# Altium PCB PuttPilot-Node.PcbDoc (part 1 of 2) (continued)
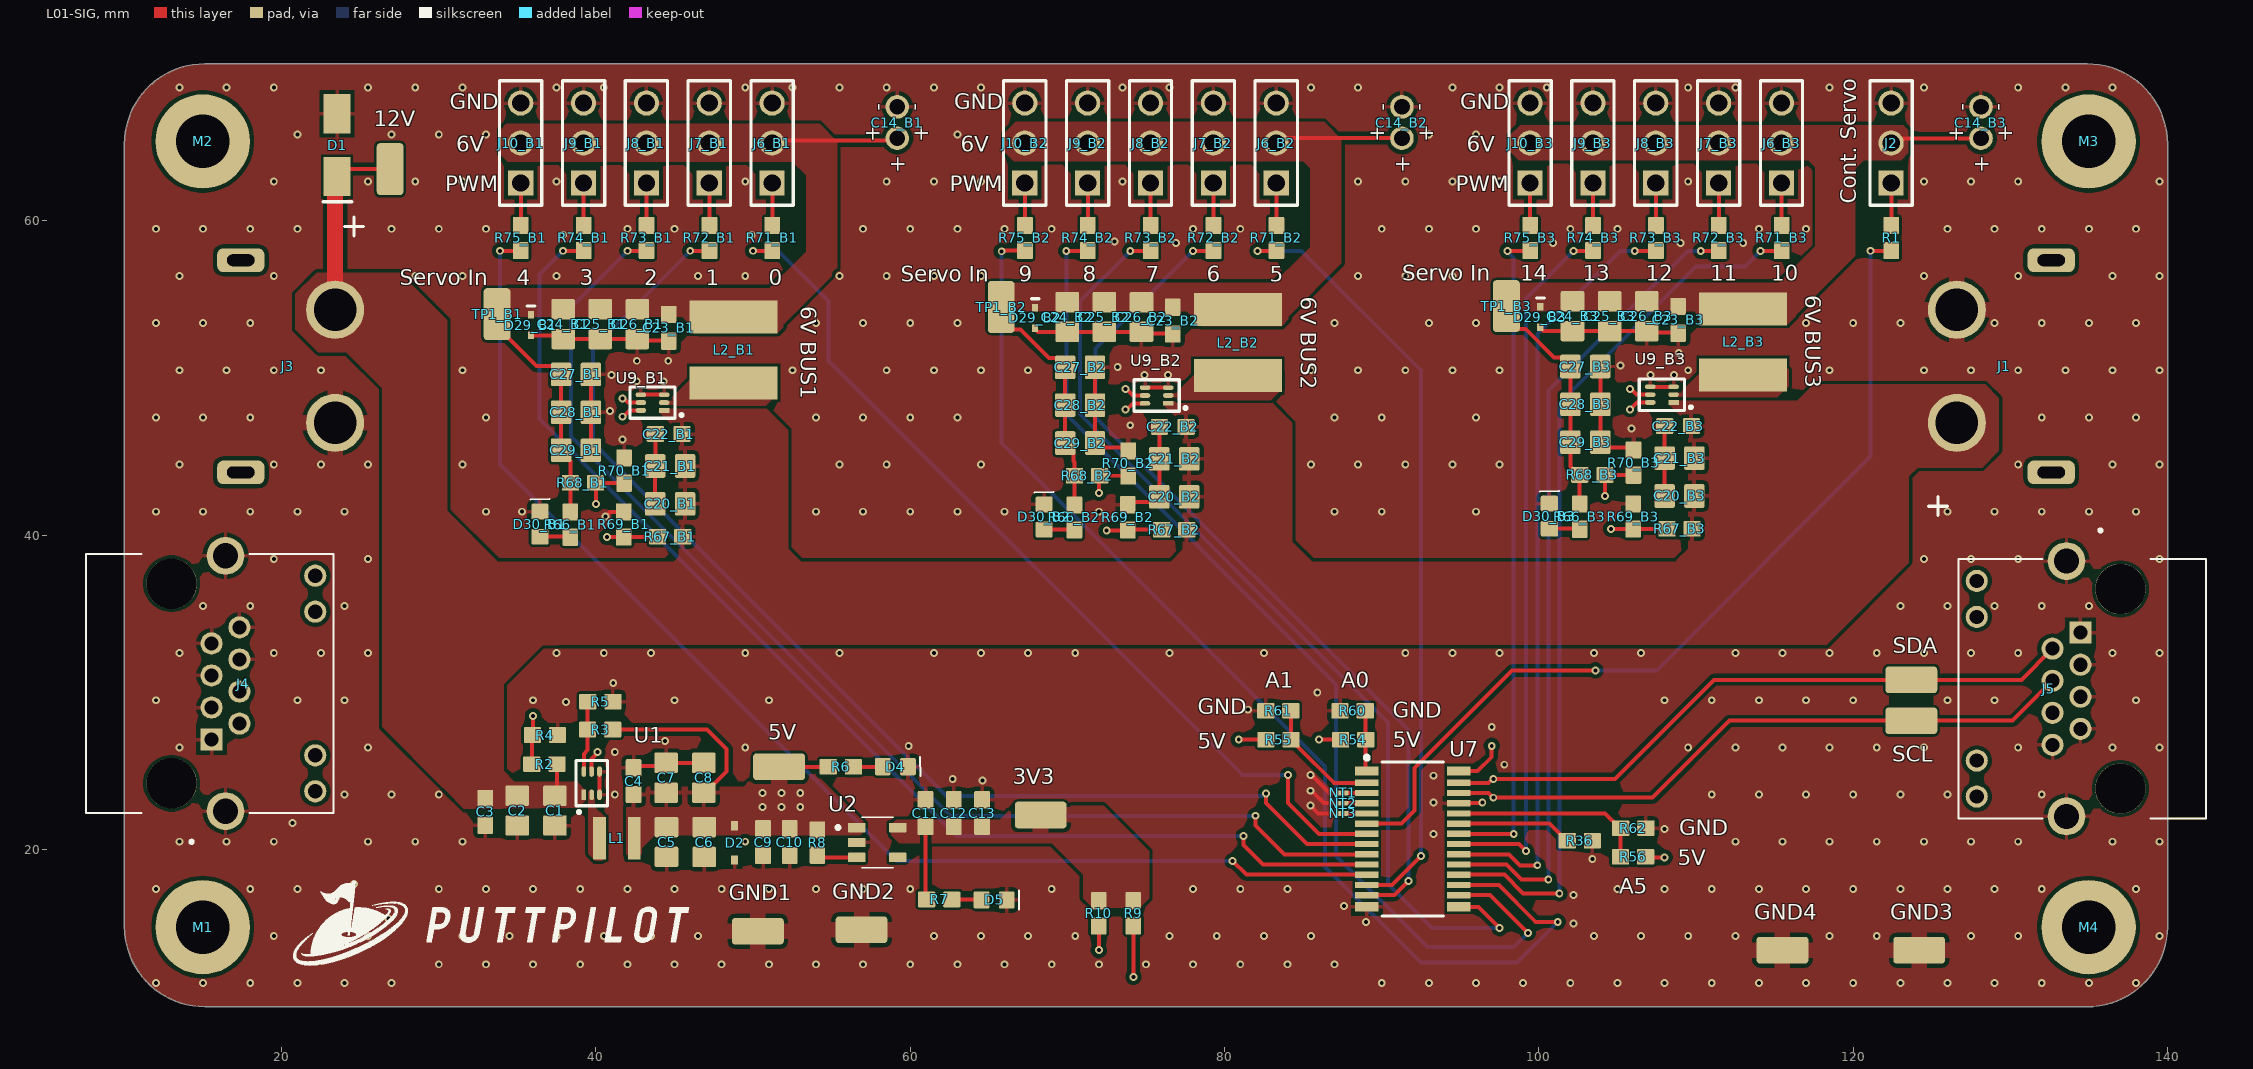
[diagram p0: L01-SIG view]
## Classes and differential pairs
net class SERVO_PWM_5_[1..3]: SERVO_PWM_5_1 SERVO_PWM_5_2 SERVO_PWM_5_3
net class SERVO_PWM_4_[1..3]: SERVO_PWM_4_1 SERVO_PWM_4_2 SERVO_PWM_4_3
net class SERVO_PWM_3_[1..3]: SERVO_PWM_3_1 SERVO_PWM_3_2 SERVO_PWM_3_3
net class SERVO_PWM_2_[1..3]: SERVO_PWM_2_1 SERVO_PWM_2_2 SERVO_PWM_2_3
net class SERVO_PWM_1_[1..3]: SERVO_PWM_1_1 SERVO_PWM_1_2 SERVO_PWM_1_3
net class 6V_BUS[1..3]: 6V_BUS1 6V_BUS2 6V_BUS3
component class U_ESP-Power: 3V3 5V C1 C2 C3 C4 C5 C6 C7 C8 C9 C10 C11 C12 C13 D2 D4 D5 GND1 GND2 GND3 GND4 L1 R2 R3 R4 R5 R6 R7 R8 U1 U2
component class U_ESP8266: 12V D1 J1 J3 J4 J5 R9 R10
component class Hierarchal: J2 M1 M2 M3 M4 R1
channel class Servo-Power: B1 B2 B3
component class U_PWM_CONTROL: NT1 NT2 NT3 R36 R54 R55 R56 R60 R61 R62 SCL SDA U7
component class B3: C14_B3 C20_B3 C21_B3 C22_B3 C23_B3 C24_B3 C25_B3 C26_B3 C27_B3 C28_B3 C29_B3 D29_B3 D30_B3 J6_B3 J7_B3 J8_B3 J9_B3 J10_B3 L2_B3 R66_B3 R67_B3 R68_B3 R69_B3 R70_B3 R71_B3 R72_B3 R73_B3 R74_B3 R75_B3 TP1_B3 U9_B3
component class B2: C14_B2 C20_B2 C21_B2 C22_B2 C23_B2 C24_B2 C25_B2 C26_B2 C27_B2 C28_B2 C29_B2 D29_B2 D30_B2 J6_B2 J7_B2 J8_B2 J9_B2 J10_B2 L2_B2 R66_B2 R67_B2 R68_B2 R69_B2 R70_B2 R71_B2 R72_B2 R73_B2 R74_B2 R75_B2 TP1_B2 U9_B2
component class B1: C14_B1 C20_B1 C21_B1 C22_B1 C23_B1 C24_B1 C25_B1 C26_B1 C27_B1 C28_B1 C29_B1 D29_B1 D30_B1 J6_B1 J7_B1 J8_B1 J9_B1 J10_B1 L2_B1 R66_B1 R67_B1 R68_B1 R69_B1 R70_B1 R71_B1 R72_B1 R73_B1 R74_B1 R75_B1 TP1_B1 U9_B1

## Components (designator, comment, footprint, x,y, rotation, side; value= is the part's Value field where it differs from the comment)
3V3 "RCWCTE" RCWCTE 68.27,22.28 r180 top
5V "RCWCTE" RCWCTE 51.625,25.35 r180 top
12V "RCWCTE" RCWCTE 26.98,63.33 r90 top
C1 "GRM21BR61E226ME44K" .CAP_0805 37.425,22.525 r90 top
C2 "GRM21BR61E226ME44K" .CAP_0805 35.025,22.525 r90 top
C3 "GCJ188R71H104KA12D" .CAP_0603 33.025,22.425 r90 top
C4 "GCJ188R71H104KA12D" .CAP_0603 42.325,24.325 r270 top
C5 "GRM21BR61E226ME44K" .CAP_0805 44.525,20.525 r90 top
C6 "GRM21BR61E226ME44K" .CAP_0805 46.925,20.525 r90 top
C7 "GRM21BR61E226ME44K" .CAP_0805 44.425,24.525 r270 top
C8 "GRM21BR61E226ME44K" .CAP_0805 46.825,24.525 r270 top
C9 "GRT188R71E105KE13D" .CAP_0603 50.7,20.5 r90 top
C10 "GRT188R71E105KE13D" .CAP_0603 52.4,20.5 r90 top
C11 "GCJ188R71H104KA12D" .CAP_0603 60.9,22.3 r270 top
C12 "GRT188R71E105KE13D" .CAP_0603 62.7,22.3 r270 top
C13 "GRT188R71E105KE13D" .CAP_0603 64.5,22.3 r270 top
C14_B1 "ESH107M010AC3AA" ESH107M010AC3AA 59.16,66.28 r90 top (schematic designator C14)
C14_B2 "ESH107M010AC3AA" ESH107M010AC3AA 91.276,66.28 r90 top (schematic designator C14)
C14_B3 "ESH107M010AC3AA" ESH107M010AC3AA 128.121,66.28 r90 top (schematic designator C14)
C20_B1 "GRM21BR61E226ME44K" .CAP_0805 44.765,41.957 r0 top (schematic designator C20)
C20_B2 "GRM21BR61E226ME44K" .CAP_0805 76.843,42.409 r0 top (schematic designator C20)
C20_B3 "GRM21BR61E226ME44K" .CAP_0805 108.993,42.463 r0 top (schematic designator C20)
C21_B1 "GRM21BR61E226ME44K" .CAP_0805 44.765,44.37 r0 top (schematic designator C21)
C21_B2 "GRM21BR61E226ME44K" .CAP_0805 76.843,44.822 r0 top (schematic designator C21)
C21_B3 "GRM21BR61E226ME44K" .CAP_0805 108.993,44.876 r0 top (schematic designator C21)
C22_B1 "GCJ188R71H104KA12D" .CAP_0603 44.651,46.372 r0 top (schematic designator C22)
C22_B2 "GCJ188R71H104KA12D" .CAP_0603 76.729,46.824 r0 top (schematic designator C22)
C22_B3 "GCJ188R71H104KA12D" .CAP_0603 108.879,46.878 r0 top (schematic designator C22)
C23_B1 "GCJ188R71H104KA12D" .CAP_0603 44.703,53.226 r90 top (schematic designator C23)
C23_B2 "GCJ188R71H104KA12D" .CAP_0603 76.781,53.678 r90 top (schematic designator C23)
C23_B3 "GCJ188R71H104KA12D" .CAP_0603 108.931,53.732 r90 top (schematic designator C23)
C24_B1 "GRM21BR61E226ME44K" .CAP_0805 37.947,53.48 r90 top (schematic designator C24)
C24_B2 "GRM21BR61E226ME44K" .CAP_0805 70.025,53.932 r90 top (schematic designator C24)
C24_B3 "GRM21BR61E226ME44K" .CAP_0805 102.175,53.986 r90 top (schematic designator C24)
C25_B1 "GRM21BR61E226ME44K" .CAP_0805 40.309,53.48 r90 top (schematic designator C25)
C25_B2 "GRM21BR61E226ME44K" .CAP_0805 72.387,53.932 r90 top (schematic designator C25)
C25_B3 "GRM21BR61E226ME44K" .CAP_0805 104.537,53.986 r90 top (schematic designator C25)
C26_B1 "GRM21BR61E226ME44K" .CAP_0805 42.671,53.48 r90 top (schematic designator C26)
C26_B2 "GRM21BR61E226ME44K" .CAP_0805 74.749,53.932 r90 top (schematic designator C26)
C26_B3 "GRM21BR61E226ME44K" .CAP_0805 106.899,53.986 r90 top (schematic designator C26)
C27_B1 "GRM21BR61E226ME44K" .CAP_0805 38.684,50.268 r180 top (schematic designator C27)
C27_B2 "GRM21BR61E226ME44K" .CAP_0805 70.762,50.72 r180 top (schematic designator C27)
C27_B3 "GRM21BR61E226ME44K" .CAP_0805 102.912,50.774 r180 top (schematic designator C27)
C28_B1 "GRM21BR61E226ME44K" .CAP_0805 38.684,47.866 r180 top (schematic designator C28)
C28_B2 "GRM21BR61E226ME44K" .CAP_0805 70.762,48.318 r180 top (schematic designator C28)
C28_B3 "GRM21BR61E226ME44K" .CAP_0805 102.912,48.372 r180 top (schematic designator C28)
C29_B1 "GRM21BR61E226ME44K" .CAP_0805 38.684,45.453 r180 top (schematic designator C29)
C29_B2 "GRM21BR61E226ME44K" .CAP_0805 70.762,45.905 r180 top (schematic designator C29)
C29_B3 "GRM21BR61E226ME44K" .CAP_0805 102.912,45.959 r180 top (schematic designator C29)
D1 "SMAJ12A-13-F" SMAJ12A-13-F 23.525,64.825 r270 top
D2 "DESD5V0U1BA-7" DESD5V0U1BA-7 48.825,20.425 r90 top
D4 "LTST-C191KGKT" .LED_0603 59,25.315 r0 top
D5 "LTST-C191KGKT" .LED_0603 65.284,16.835 r0 top
D29_B1 "ESD5Z6.0T1G" ESD5Z6.0T1G 35.864,53.378 r270 top (schematic designator D29)
D29_B2 "ESD5Z6.0T1G" ESD5Z6.0T1G 67.942,53.83 r270 top (schematic designator D29)
D29_B3 "ESD5Z6.0T1G" ESD5Z6.0T1G 100.092,53.884 r270 top (schematic designator D29)
D30_B1 "LTST-C191KGKT" .LED_0603 36.398,40.66 r90 top (schematic designator D30)
D30_B2 "LTST-C191KGKT" .LED_0603 68.476,41.112 r90 top (schematic designator D30)
D30_B3 "LTST-C191KGKT" .LED_0603 100.626,41.166 r90 top (schematic designator D30)
GND1 "RCWCTE" RCWCTE 50.33,14.72 r0 top
GND2 "RCWCTE" RCWCTE 56.93,14.82 r0 top
GND3 "RCWCTE" RCWCTE 124.23,13.52 r0 top
GND4 "RCWCTE" RCWCTE 115.47,13.68 r180 top
J1 "XT60PW-M" XT60PW-M 132.6,50.75 r270 top
J2 "PRPC040SAAN-RC" HEADER_3POS_2.54MM 122.415,64.959 r90 top
J3 "XT60PW-M" XT60PW-M 17.4,50.75 r90 top
J4 "MTJ-88ARX1-FSM-LG" MTJ-88ARX1-FSM-LG 15,30.4 r270 top
J5 "MTJ-88ARX1-FSM-LG" MTJ-88ARX1-FSM-LG 135,30.4 r90 top
J6_B1 "PRPC040SAAN-RC" HEADER_3POS_2.54MM 51.21,64.959 r90 top (schematic designator J6)
J6_B2 "PRPC040SAAN-RC" HEADER_3POS_2.54MM 83.288,64.959 r90 top (schematic designator J6)
J6_B3 "PRPC040SAAN-RC" HEADER_3POS_2.54MM 115.438,64.959 r90 top (schematic designator J6)
J7_B1 "PRPC040SAAN-RC" HEADER_3POS_2.54MM 47.21,64.959 r90 top (schematic designator J7)
J7_B2 "PRPC040SAAN-RC" HEADER_3POS_2.54MM 79.288,64.959 r90 top (schematic designator J7)
J7_B3 "PRPC040SAAN-RC" HEADER_3POS_2.54MM 111.438,64.959 r90 top (schematic designator J7)
J8_B1 "PRPC040SAAN-RC" HEADER_3POS_2.54MM 43.21,64.959 r90 top (schematic designator J8)
J8_B2 "PRPC040SAAN-RC" HEADER_3POS_2.54MM 75.288,64.959 r90 top (schematic designator J8)
J8_B3 "PRPC040SAAN-RC" HEADER_3POS_2.54MM 107.438,64.959 r90 top (schematic designator J8)
J9_B1 "PRPC040SAAN-RC" HEADER_3POS_2.54MM 39.21,64.959 r90 top (schematic designator J9)
J9_B2 "PRPC040SAAN-RC" HEADER_3POS_2.54MM 71.288,64.959 r90 top (schematic designator J9)
J9_B3 "PRPC040SAAN-RC" HEADER_3POS_2.54MM 103.438,64.959 r90 top (schematic designator J9)
J10_B1 "PRPC040SAAN-RC" HEADER_3POS_2.54MM 35.21,64.959 r90 top (schematic designator J10)
J10_B2 "PRPC040SAAN-RC" HEADER_3POS_2.54MM 67.288,64.959 r90 top (schematic designator J10)
J10_B3 "PRPC040SAAN-RC" HEADER_3POS_2.54MM 99.438,64.959 r90 top (schematic designator J10)
L1 "NRH3012T4R7MN" NRH3012T4R7MN 41.325,20.725 r0 top
L2_B1 "SRP6060FA-5R6M" SRP6060FA-5R6M 48.767,51.803 r90 top (schematic designator L2)
L2_B2 "SRP6060FA-5R6M" SRP6060FA-5R6M 80.845,52.255 r90 top (schematic designator L2)
L2_B3 "SRP6060FA-5R6M" SRP6060FA-5R6M 112.995,52.309 r90 top (schematic designator L2)
M1 ".HOLE_M3" .HOLE_M3 15,15 r0 top locked
M2 ".HOLE_M3" .HOLE_M3 15,65 r0 top locked
M3 ".HOLE_M3" .HOLE_M3 135,65 r0 top
M4 ".HOLE_M3" .HOLE_M3 135,15 r0 top
NT1 ".NET_TIE" .NET_TIE 87.36,23.6 r0 top
NT2 ".NET_TIE" .NET_TIE 87.36,22.95 r0 top
NT3 ".NET_TIE" .NET_TIE 87.36,22.3 r0 top
R1 "RC0603FR-07240RL" .RES_0603 122.415,58.959 r270 top
R2 "ERJ-3EKF2002V" .RES_0603 36.675,25.425 r0 top
R3 "RC0603FR-0773K2L" .RES_0603 40.225,27.625 r0 top
R4 "RC0603FR-0710KL" .RES_0603 36.8,27.3 r180 top
R5 "RC0603FR-0710KL" .RES_0603 40.325,29.425 r180 top
R6 "RC0603FR-071KL" .RES_0603 55.625,25.275 r180 top
R7 "RC0603FR-071KL" .RES_0603 61.884,16.835 r180 top
R8 "RC0603FR-071KL" .RES_0603 54.1,20.4 r90 top
R9 "RC0603FR-071KL" .RES_0603 74.2,15.9 r90 top
R10 "RC0603FR-071KL" .RES_0603 72,15.9 r90 top
R36 "RC0603FR-0710KL" .RES_0603 102.65,20.575 r180 top
R54 "RC0603FR-071KL" .RES_0603 88.225,27 r180 top
R55 "RC0603FR-071KL" .RES_0603 83.475,27 r180 top
R56 "RC0603FR-071KL" .RES_0603 105.95,19.525 r0 top
R60 "RC0603FR-071KL" .RES_0603 88.107,28.814 r0 top
R61 "RC0603FR-071KL" .RES_0603 83.375,28.825 r0 top
R62 "RC0603FR-071KL" .RES_0603 106.05,21.375 r180 top
R66_B1 "RC0603FR-071KL" .RES_0603 38.379,40.635 r90 top (schematic designator R66)
R66_B2 "RC0603FR-071KL" .RES_0603 70.457,41.087 r90 top (schematic designator R66)
R66_B3 "RC0603FR-071KL" .RES_0603 102.607,41.141 r90 top (schematic designator R66)
R67_B1 "ERJ-3EKF2002V" .RES_0603 44.678,39.891 r0 top (schematic designator R67)
R67_B2 "ERJ-3EKF2002V" .RES_0603 76.756,40.343 r0 top (schematic designator R67)
R67_B3 "ERJ-3EKF2002V" .RES_0603 108.906,40.397 r0 top (schematic designator R67)
R68_B1 "RC0603FR-0788K7L" .RES_0603 39.217,43.345 r180 top (schematic designator R68)
R68_B2 "RC0603FR-0788K7L" .RES_0603 71.295,43.797 r180 top (schematic designator R68)
R68_B3 "RC0603FR-0788K7L" .RES_0603 103.445,43.851 r180 top (schematic designator R68)
R69_B1 "RC0603FR-0710KL" .RES_0603 41.757,40.729 r270 top (schematic designator R69)
R69_B2 "RC0603FR-0710KL" .RES_0603 73.835,41.181 r270 top (schematic designator R69)
R69_B3 "RC0603FR-0710KL" .RES_0603 105.985,41.235 r270 top (schematic designator R69)
R70_B1 "RC0603FR-0710KL" .RES_0603 41.782,44.158 r270 top (schematic designator R70)
R70_B2 "RC0603FR-0710KL" .RES_0603 73.86,44.61 r270 top (schematic designator R70)
R70_B3 "RC0603FR-0710KL" .RES_0603 106.01,44.664 r270 top (schematic designator R70)
R71_B1 "RC0603FR-07240RL" .RES_0603 51.21,58.959 r270 top (schematic designator R71)
R71_B2 "RC0603FR-07240RL" .RES_0603 83.288,58.959 r270 top (schematic designator R71)
R71_B3 "RC0603FR-07240RL" .RES_0603 115.438,58.959 r270 top (schematic designator R71)
R72_B1 "RC0603FR-07240RL" .RES_0603 47.21,58.959 r270 top (schematic designator R72)
R72_B2 "RC0603FR-07240RL" .RES_0603 79.288,58.959 r270 top (schematic designator R72)
R72_B3 "RC0603FR-07240RL" .RES_0603 111.438,58.959 r270 top (schematic designator R72)
R73_B1 "RC0603FR-07240RL" .RES_0603 43.21,58.959 r270 top (schematic designator R73)
R73_B2 "RC0603FR-07240RL" .RES_0603 75.288,58.959 r270 top (schematic designator R73)
R73_B3 "RC0603FR-07240RL" .RES_0603 107.438,58.959 r270 top (schematic designator R73)
R74_B1 "RC0603FR-07240RL" .RES_0603 39.21,58.959 r270 top (schematic designator R74)
R74_B2 "RC0603FR-07240RL" .RES_0603 71.288,58.959 r270 top (schematic designator R74)
R74_B3 "RC0603FR-07240RL" .RES_0603 103.438,58.959 r270 top (schematic designator R74)
R75_B1 "RC0603FR-07240RL" .RES_0603 35.21,58.959 r270 top (schematic designator R75)
R75_B2 "RC0603FR-07240RL" .RES_0603 67.288,58.959 r270 top (schematic designator R75)
R75_B3 "RC0603FR-07240RL" .RES_0603 99.438,58.959 r270 top (schematic designator R75)
SCL "RCWCTE" RCWCTE 123.67,28.28 r180 top (schematic designator I2)
SDA "RCWCTE" RCWCTE 123.67,30.88 r180 top (schematic designator I1)
TP1_B1 "RCWCTE" RCWCTE 33.625,54.042 r270 top (schematic designator TP1)
TP1_B2 "RCWCTE" RCWCTE 65.703,54.494 r270 top (schematic designator TP1)
TP1_B3 "RCWCTE" RCWCTE 97.853,54.548 r270 top (schematic designator TP1)
U1 "TPS566242DRLR" TPS566242DRLR 39.725,24.225 r90 top
U2 "TLV75533PDBVR" .SOT-23-5 57.9,20.5 r0 top
U7 "PCA9685PW,112" PCA9685PW,112 91.975,20.675 r0 top
U9_B1 "TPS566242DRLR" TPS566242DRLR 43.6,48.442 r180 top (schematic designator U9)
U9_B2 "TPS566242DRLR" TPS566242DRLR 75.678,48.894 r180 top (schematic designator U9)
U9_B3 "TPS566242DRLR" TPS566242DRLR 107.828,48.948 r180 top (schematic designator U9)

## Footprints (in the part's own frame and the unit in brackets; to place one, negate y for a bottom-side part, rotate by r counter-clockwise, add the part's x,y. Pads: shape width x height; smd on the part's side, far side on the other; paste and mask are expansions set on the pad)
.CAP_0603 [mm] "GENERIC 0603 CAPACITOR"
  rrect15% 1.1x1 smd: 1(-0.873,0.07) 2(0.827,0.07)
  body extent -0.9,-0.38 0.85,0.57, height 0.87
.CAP_0805 [mm] "GENERIC 0805 CAPACITOR"
  rrect15% 1.3x1.5 smd: 1(-0.995,0.036) 2(0.905,0.036)
  body extent -1.14,-0.66 1.05,0.79, height 1.39
.HOLE_M3 [mm]
  round 6 hole 3.4: 1(-0.02,0.06)
.LED_0603 [mm] ".GENERIC 0603 LED"
  rrect20% 1x1.1 smd: 1(-0.75,-0.04) 2(0.85,-0.04)
  silkscreen extent 1.62,-0.64 1.64,0.56, body extent -0.76,-0.44 0.86,0.36, height 0.6
.NET_TIE [mm]
  rrect15% 0.4x0.3 smd paste-2539.97 mask+0: 1(-0.025,0) 2(0.34,0)
.RES_0603 [mm] "GENERIC 0603 RESISTOR"
  rrect15% 1.1x1 smd: 1(-0.757,0.011) 2(0.843,0.011)
  body extent -0.76,-0.39 0.84,0.41, height 0.46
.SOT-23-5 [mm] ".GENERIC SOT-23-5"
  rrect10% 1.1x0.6 smd: 1(-1.3,0.9) 2(-1.3,-0.05) 3(-1.3,-1) 4(1.3,-1) 5(1.3,0.9)
  silkscreen extent -2.61,-1.65 1,1.55, body extent -1.4,-1.5 1.4,1.4, height 1.45
DESD5V0U1BA-7 [mm]
  rect 0.59x0.45 smd: 1(-1.09,0) 2(1.09,0)
  body extent -1.35,-0.7 1.35,0.7, height 1.2
ESD5Z6.0T1G [mm]
  rect 0.48x0.4 smd: 1(-0.66,0) 2(0.66,0)
  silkscreen extent -1.22,-0.24 -1.22,0.26, body extent -0.85,-0.44 0.85,0.44, height 0.46
ESH107M010AC3AA [mm]
  round 1.5 hole 1 mask+0.05: 1(-1.022,-0.01)
  round 1.5 hole 1 paste-2539.97 mask+0.05: 2(0.978,-0.01)
  body extent -2.77,-2.76 2.72,2.74, height 12.5
HEADER_3POS_2.54MM [mm]
  rect 1.6x1.6 hole 1.1: 1(-2.54,0)
  round 1.6 hole 1.1: 2(0,0) 3(2.54,0)
  silkscreen extent -3.96,-1.35 3.96,1.35, body extent -3.81,-1.27 3.81,1.27, height 8.57
MTJ-88ARX1-FSM-LG [mm]
  rect 1.408x1.408 / inner round 1.408 / far side rect 1.408x1.408 hole 0.9: 1(3.403,0.537)
  round 1.408 hole 0.9: 2(2.383,2.317) 3(1.363,0.537) 4(0.343,2.317) 5(-0.677,0.537) 6(-1.697,2.317) 7(-2.717,0.537) 8(-3.737,2.317) 9(6.693,7.137) 10(4.403,7.137) 11(-4.737,7.137) 12(-7.027,7.137)
  round 2.4 hole 1.6: SH1(-8.292,1.427) SH2(7.958,1.427)
  round 3.2 hole 3.2 unplated: ""(-6.517,-2.003) ""(6.183,-2.003)
  silkscreen extent -8.42,-7.46 10.01,8.29, body extent -8.57,-7.66 8.24,8.48, height 13.21
NRH3012T4R7MN [mm]
  rect 0.8x2.7 smd: 1(-1.1,0) 2(1.1,0)
  body extent -1.55,-1.55 1.55,1.55, height 1.19
PCA9685PW,112 [mm]
  rect 1.5x0.6 smd: 1(-2.924,4.326) 14(-2.924,-4.324) 15(2.926,-4.324) 28(2.926,4.326)
  rect 1.5x0.4 smd: 2(-2.924,3.576) 3(-2.924,2.926) 4(-2.924,2.276) 5(-2.924,1.626) 6(-2.924,0.976) 7(-2.924,0.326) 8(-2.924,-0.324) 9(-2.924,-0.974) 10(-2.924,-1.624) 11(-2.924,-2.274) 12(-2.924,-2.924) 13(-2.924,-3.574) 16(2.926,-3.574) 17(2.926,-2.924) 18(2.926,-2.274) 19(2.926,-1.624) 20(2.926,-0.974) 21(2.926,-0.324) 22(2.926,0.326) 23(2.926,0.976) 24(2.926,1.626) 25(2.926,2.276) 26(2.926,2.926) 27(2.926,3.576)
  silkscreen extent -3.05,-4.9 1.96,5.3, body extent -3.3,-4.9 3.3,4.9, height 1.09
RCWCTE [mm]
  rrect25% 3.3x1.7 smd: 1(-0.03,0.08)
  body extent -1.63,-0.72 1.57,0.88, height 2.01
SMAJ12A-13-F [mm]
  rect 2.5x1.7 smd: 1(-2,0) 2(2,0)
  silkscreen extent 3.6,-0.9 3.6,0.94, body extent -2.8,-1.46 2.8,1.46, height 2.35
SRP6060FA-5R6M [mm]
  rect 2.1x5.6 smd: 1(-2.1,0) 2(2.1,0)
  body extent -3.2,-3.3 3.2,3.3, height 5.91
TPS566242DRLR [mm]
  rect 0.67x0.3 smd mask+0.075: 1(-0.74,0.5)
  oval 0.67x0.3 smd mask+0.075: 2(-0.74,0) 3(-0.74,-0.5) 4(0.74,-0.5) 5(0.74,0) 6(0.74,0.5)
  silkscreen extent -1.9,-1 1.44,1, body extent -0.8,-0.78 0.8,0.78, height 0.6
XT60PW-M [mm] "XT60 Male"
  round 3.7 hole 2.7: 1(3.6,-6) 2(-3.6,-6)
  rrect50% 1.5x3 hole 0.75 slot 1.75 at 90 deg: MH0(-6.75,0) MH1(6.75,0)
  silkscreen extent 8.3,-7.8 9.5,-6.6, body extent -7.75,-7.85 7.75,10.35, height 8.41

## Part data
3V3 5V 12V GND1 GND2 GND3 GND4 SCL SDA TP1_B1 TP1_B2 TP1_B3: "SMT Test Point", Case Code (Imperial)=1206, Case Code (Metric)=3216, Current Rating=2A, Manufacturer="KOA Speer", Max Operating Temperature=125°C, Min Operating Temperature=-55°C, Resistance=0R, Supplier Part Number 1=2019-RCWCTECT-ND, Case/Package=1206, Category="Chip SMD Resistors", ComponentLink1Description=https://datasheet.ciiva.com/34302/1876186-34302940.pdf?src-supplier=Jameco, ComponentLink1URL=https://datasheet.ciiva.com/34302/1876186-34302940.pdf?src-supplier=Jameco, ComponentLink2Description=https://datasheet.ciiva.com/5556/rc-5556236.pdf?src-supplier=Mouser, ComponentLink2URL=https://datasheet.ciiva.com/5556/rc-5556236.pdf?src-supplier=Mouser, ComponentLink3Description=https://datasheet.ciiva.com/26821/getdatasheetpartid-110197-26821157.pdf?src-supplier=Verical, ComponentLink3URL=https://datasheet.ciiva.com/26821/getdatasheetpartid-110197-26821157.pdf?src-supplier=Verical, Contact Material=Copper,Tin, Depth=1.6mm, Height=2mm, Length=3.2mm, Manufacturer Part Number=RCWCTE, Military Standard=Not, Mount="Surface Mount", Number of Contacts=1, Packaging="Tape and Reel", Pricing 1="1=0.2, 10=0.15, 25=0.1344, 50=0.1238, 100=0.1141, 250=0.10268, 500=0.09488, 1000=0.08781 (USD)", RoHS=Yes, RoHS Compliant=Yes, Series=RC, Stock 1=56953, Supplier 1=Digikey, Termination=SMD/SMT, Width=1.6mm
C1 C2 C5 C6 C7 C8 C20_B1 C20_B2 C20_B3 C21_B1 C21_B2 C21_B3 C24_B1 C24_B2 C24_B3 C25_B1 C25_B2 C25_B3 C26_B1 C26_B2 C26_B3 C27_B1 C27_B2 C27_B3 C28_B1 C28_B2 C28_B3 C29_B1 C29_B2 C29_B3: "CAP CER 22uF 25V X5R 0805", Capacitance=22uF, Capacitor Type=Ceramic, Manufacturer=Murata, Max Operating Temperature=85°C, Min Operating Temperature=-55°C, Negative Tolerance=20%, Package Shape=Rectangular, Package Style=SMTMeter, Rated DC Voltage (URdc)=25V, Supplier Part Number 1=1092989, Temperature Characteristics Code=X5R, Category="Ceramic Capacitors", ComponentLink1Description=https://datasheet.ciiva.com:443/pdfs/VipMasterIC/IC/MURE/MURE-S-A0002977178/MURE-S-A0002978778-1.pdf?src-supplier=IHS+Markit, ComponentLink1URL=https://datasheet.ciiva.com:443/pdfs/VipMasterIC/IC/MURE/MURE-S-A0002977178/MURE-S-A0002978778-1.pdf?src-supplier=IHS+Markit, ComponentLink2Description=http://www.mouser.com/ds/2/281/c02e-2905.pdf?src-supplier=Mouser, ComponentLink2URL=http://www.mouser.com/ds/2/281/c02e-2905.pdf?src-supplier=Mouser, ComponentLink3Description=https://datasheet.octopart.com/GRM21BR61E226ME44K-Murata-datasheet-155345081.pdf?src-supplier=Element14, ComponentLink3URL=https://datasheet.octopart.com/GRM21BR61E226ME44K-Murata-datasheet-155345081.pdf?src-supplier=Element14, ComponentLink4Description=http://search.murata.co.jp/Ceramy/image/img/A01X/G101/ENG/GRM21BR61E226ME44-01.pdf?src-supplier=Digikey, ComponentLink4URL=http://search.murata.co.jp/Ceramy/image/img/A01X/G101/ENG/GRM21BR61E226ME44-01.pdf?src-supplier=Digikey, ComponentLink5Description=https://search.murata.co.jp/Ceramy/image/img/A01X/G101/ENG/GRM21BR61E226ME44-01.pdf?src-supplier=Digikey, ComponentLink5URL=https://search.murata.co.jp/Ceramy/image/img/A01X/G101/ENG/GRM21BR61E226ME44-01.pdf?src-supplier=Digikey, ComponentLink6Description=https://datasheet.octopart.com/GRM21BR61E226ME44K-Murata-datasheet-99353850.pdf?src-supplier=Future+Electronics, ComponentLink6URL=https://datasheet.octopart.com/GRM21BR61E226ME44K-Murata-datasheet-99353850.pdf?src-supplier=Future+Electronics, ComponentLink7Description=https://datasheet.octopart.com/GRM21BR61E226ME44K-Murata-datasheet-155345081.pdf?src-supplier=Newark, ComponentLink7URL=https://datasheet.octopart.com/GRM21BR61E226ME44K-Murata-datasheet-155345081.pdf?src-supplier=Newark, ComponentLink8Description=https://datasheet.octopart.com/GRM21BR61E226ME44K-Murata-datasheet-165579666.pdf?src-supplier=TME, ComponentLink8URL=https://datasheet.octopart.com/GRM21BR61E226ME44K-Murata-datasheet-165579666.pdf?src-supplier=TME, Dielectric Material=Ceramic, Height=1.25mm, JESD-609 Code=e3, Length=2mm, Manufacturer Part Number=GRM21BR61E226ME44K, Mount="Surface Mount", Multilayer=Yes, Number of Pins=2, Packaging="Tape and Reel", Positive Tolerance=20%, Pricing 1="10000=0.0684, 20000=0.0672, 30000=0.0661 (USD)", Reach SVHC Compliant=Yes, RoHS=Yes, RoHS Compliant=Yes, Size Code=0805, Stock 1=60000, Supplier 1="Future Electronics", Terminal Finish=Nickel, Termination=Wraparound, Width=1.25mm
C3 C4 C11 C22_B1 C22_B2 C22_B3 C23_B1 C23_B2 C23_B3: "CAP CER 0.1uF 50V X7R 0603", Capacitance=0.1uF, Capacitor Type=Ceramic, Manufacturer=Murata, Max Operating Temperature=125°C, Min Operating Temperature=-55°C, Negative Tolerance=10%, Package Shape=Rectangular, Package Style=SMTMeter, Rated DC Voltage (URdc)=50V, Supplier Part Number 1=1158604, Temperature Characteristics Code=X7R, Category="Ceramic Capacitors", ComponentLink1Description=https://psearch.en.murata.com:443/capacitor/product/GCJ188R71H104KA12%23.pdf?src-supplier=IHS+Markit, ComponentLink1URL=https://psearch.en.murata.com:443/capacitor/product/GCJ188R71H104KA12%23.pdf?src-supplier=IHS+Markit, ComponentLink2Description=https://datasheet.ciiva.com/135/product-135604.pdf?src-supplier=Digikey, ComponentLink2URL=https://datasheet.ciiva.com/135/product-135604.pdf?src-supplier=Digikey, ComponentLink3Description=https://datasheet.ciiva.com/26889/getdatasheetpartid-369886-26889118.pdf?src-supplier=Verical, ComponentLink3URL=https://datasheet.ciiva.com/26889/getdatasheetpartid-369886-26889118.pdf?src-supplier=Verical, ComponentLink4Description=https://datasheet.ciiva.com/135/s0717e-135605.pdf?src-supplier=Digikey, ComponentLink4URL=https://datasheet.ciiva.com/135/s0717e-135605.pdf?src-supplier=Digikey, ComponentLink5Description=https://datasheet.ciiva.com/135/s0717e-135606.pdf?src-supplier=Digikey, ComponentLink5URL=https://datasheet.ciiva.com/135/s0717e-135606.pdf?src-supplier=Digikey, ComponentLink6Description=https://datasheet.ciiva.com/16440/c03e-16440425.pdf?src-supplier=Future+Electronics, ComponentLink6URL=https://datasheet.ciiva.com/16440/c03e-16440425.pdf?src-supplier=Future+Electronics, Dielectric Material=Ceramic, Height=0.8mm, JESD-609 Code=e3, Length=1.6mm, Manufacturer Part Number=GCJ188R71H104KA12D, Mount="Surface Mount", Multilayer=Yes, Number of Pins=2, Packaging="Tape and Reel", Positive Tolerance=10%, Pricing 1="4000=0.0182, 12000=0.0178, 20000=0.0176, 80000=0.017, 120000=0.0167 (USD)", Reach SVHC Compliant=Yes, Reference Standard=AEC-Q200, RoHS=Yes, RoHS Compliant=Yes, Size Code=0603, Stock 1=3280000, Supplier 1="Future Electronics", Terminal Finish=Nickel, Termination=Wraparound, Width=0.8mm
C9 C10 C12 C13: "CAP CER 1uF 25V X7R 0603", Capacitance=1uF, Capacitor Type=Ceramic, Manufacturer=Murata, Max Operating Temperature=125°C, Min Operating Temperature=-55°C, Negative Tolerance=10%, Package Shape=Rectangular, Rated DC Voltage (URdc)=25V, Supplier Part Number 1=6183026, Temperature Characteristics Code=X7R, Category="Ceramic Capacitors", ComponentLink1Description=https://datasheet.ciiva.com:443/pdfs/VipMasterIC/IC/MURE/MURE-S-A0004410517/MURE-S-A0004413605-1.pdf?src-supplier=IHS+Markit, ComponentLink1URL=https://datasheet.ciiva.com:443/pdfs/VipMasterIC/IC/MURE/MURE-S-A0004410517/MURE-S-A0004413605-1.pdf?src-supplier=IHS+Markit, ComponentLink2Description=http://www.farnell.com/datasheets/2165962.pdf?src-supplier=Farnell, ComponentLink2URL=http://www.farnell.com/datasheets/2165962.pdf?src-supplier=Farnell, ComponentLink3Description=https://datasheet.octopart.com/GRT188R71E105KE13D-Murata-datasheet-149523601.pdf?src-supplier=Farnell, ComponentLink3URL=https://datasheet.octopart.com/GRT188R71E105KE13D-Murata-datasheet-149523601.pdf?src-supplier=Farnell, ComponentLink4Description=https://datasheet.octopart.com/GRT188R71E105KE13D-Murata-datasheet-67697754.pdf?src-supplier=Newark, ComponentLink4URL=https://datasheet.octopart.com/GRT188R71E105KE13D-Murata-datasheet-67697754.pdf?src-supplier=Newark, ComponentLink5Description=https://datasheet.octopart.com/GRT188R71E105KE13D-Murata-datasheet-165579666.pdf?src-supplier=TME, ComponentLink5URL=https://datasheet.octopart.com/GRT188R71E105KE13D-Murata-datasheet-165579666.pdf?src-supplier=TME, Dielectric Material=Ceramic, JESD-609 Code=e3, Manufacturer Part Number=GRT188R71E105KE13D, Mount="Surface Mount", Multilayer=Yes, Number of Pins=2, Packaging="Tape and Reel", Positive Tolerance=10%, Pricing 1="4000=0.0164, 12000=0.0158, 20000=0.0155, 80000=0.0148, 120000=0.0144 (USD)", Reach SVHC Compliant=Yes, Reference Standard=AEC-Q200, RoHS=Yes, RoHS Compliant=Yes, Size Code=0603, Stock 1=236000, Supplier 1="Future Electronics", Terminal Finish=Nickel, Termination=Wraparound
C14_B1 C14_B2 C14_B3: "CAP ALUM 100uF 10V RAD THT"
D1: "TVS DIODE 12VWM", Breakdown Voltage-Nom=14V, Clamping Voltage-Max=19.9V, Manufacturer=Diodes, Max Breakdown Voltage=14.7V, Max Operating Temperature=150°C, Max Power Dissipation=1W, Min Breakdown Voltage=13.3V, Min Operating Temperature=-55°C, Non-rep Peak Rev Power Dis-Max=400W, Package Body Material=Plastic, Package Shape=Rectangular, Package Style="SMALL OUTLINEMeter", Peak Reflow Temperature (Cel)=260°C, Rep Pk Reverse Voltage-Max=12V, Supplier Part Number 1=SMAJ12A-FDICT-ND, Time @ Peak Reflow Temperature-Max (s)=40s, Additional Feature="EXCELLENT CLAMPING CAPABILITY", Category="TVS Diodes", ComponentLink1Description=https://datasheet.ciiva.com:443/pdfs/VipMasterIC/IC/DIOD/DIOD-S-A0009689838/DIOD-S-A0009691421-1.pdf?src-supplier=IHS+Markit, ComponentLink1URL=https://datasheet.ciiva.com:443/pdfs/VipMasterIC/IC/DIOD/DIOD-S-A0009689838/DIOD-S-A0009691421-1.pdf?src-supplier=IHS+Markit, ComponentLink2Description=https://datasheet.ciiva.com/15143/getdatasheetpartid-164236-15143864.pdf?src-supplier=Verical, ComponentLink2URL=https://datasheet.ciiva.com/15143/getdatasheetpartid-164236-15143864.pdf?src-supplier=Verical, Diode Element Material=SILICON, Diode Type="TRANS VOLTAGE SUPPRESSOR", JESD-30 Code=R-PDSO-C2, JESD-609 Code=e3, Manufacturer Part Number=SMAJ12A-13-F, Moisture Sensitivity Level=1, Number of Elements=1, Number of Pins=2, Polarity=Unidirectional, Pricing 1="1=0.29, 10=0.197, 100=0.1322, 500=0.1019, 1000=0.09178, 2000=0.08313 (USD)", Qualification Status="Not Qualified", Reach SVHC Compliant=No, RoHS=Yes, RoHS Compliant=Yes, Stock 1=25706, Supplier 1=Digikey, Surface Mount=Yes, Technology=AVALANCHE, Terminal Finish=Tin, Terminal Form="C BEND", Terminal Position=DUAL